# Altium PCB MASOUD.PcbDoc (part 4 of 5)
Units mm, origin at the board's own origin, x right, y up, seen from the top; angles counter-clockwise.
Board outline 244.28 x 142.63 mm, 2 copper layers (Top Layer, Bottom Layer); 506 components, 0 nets, 1687 pads, 863 vias.
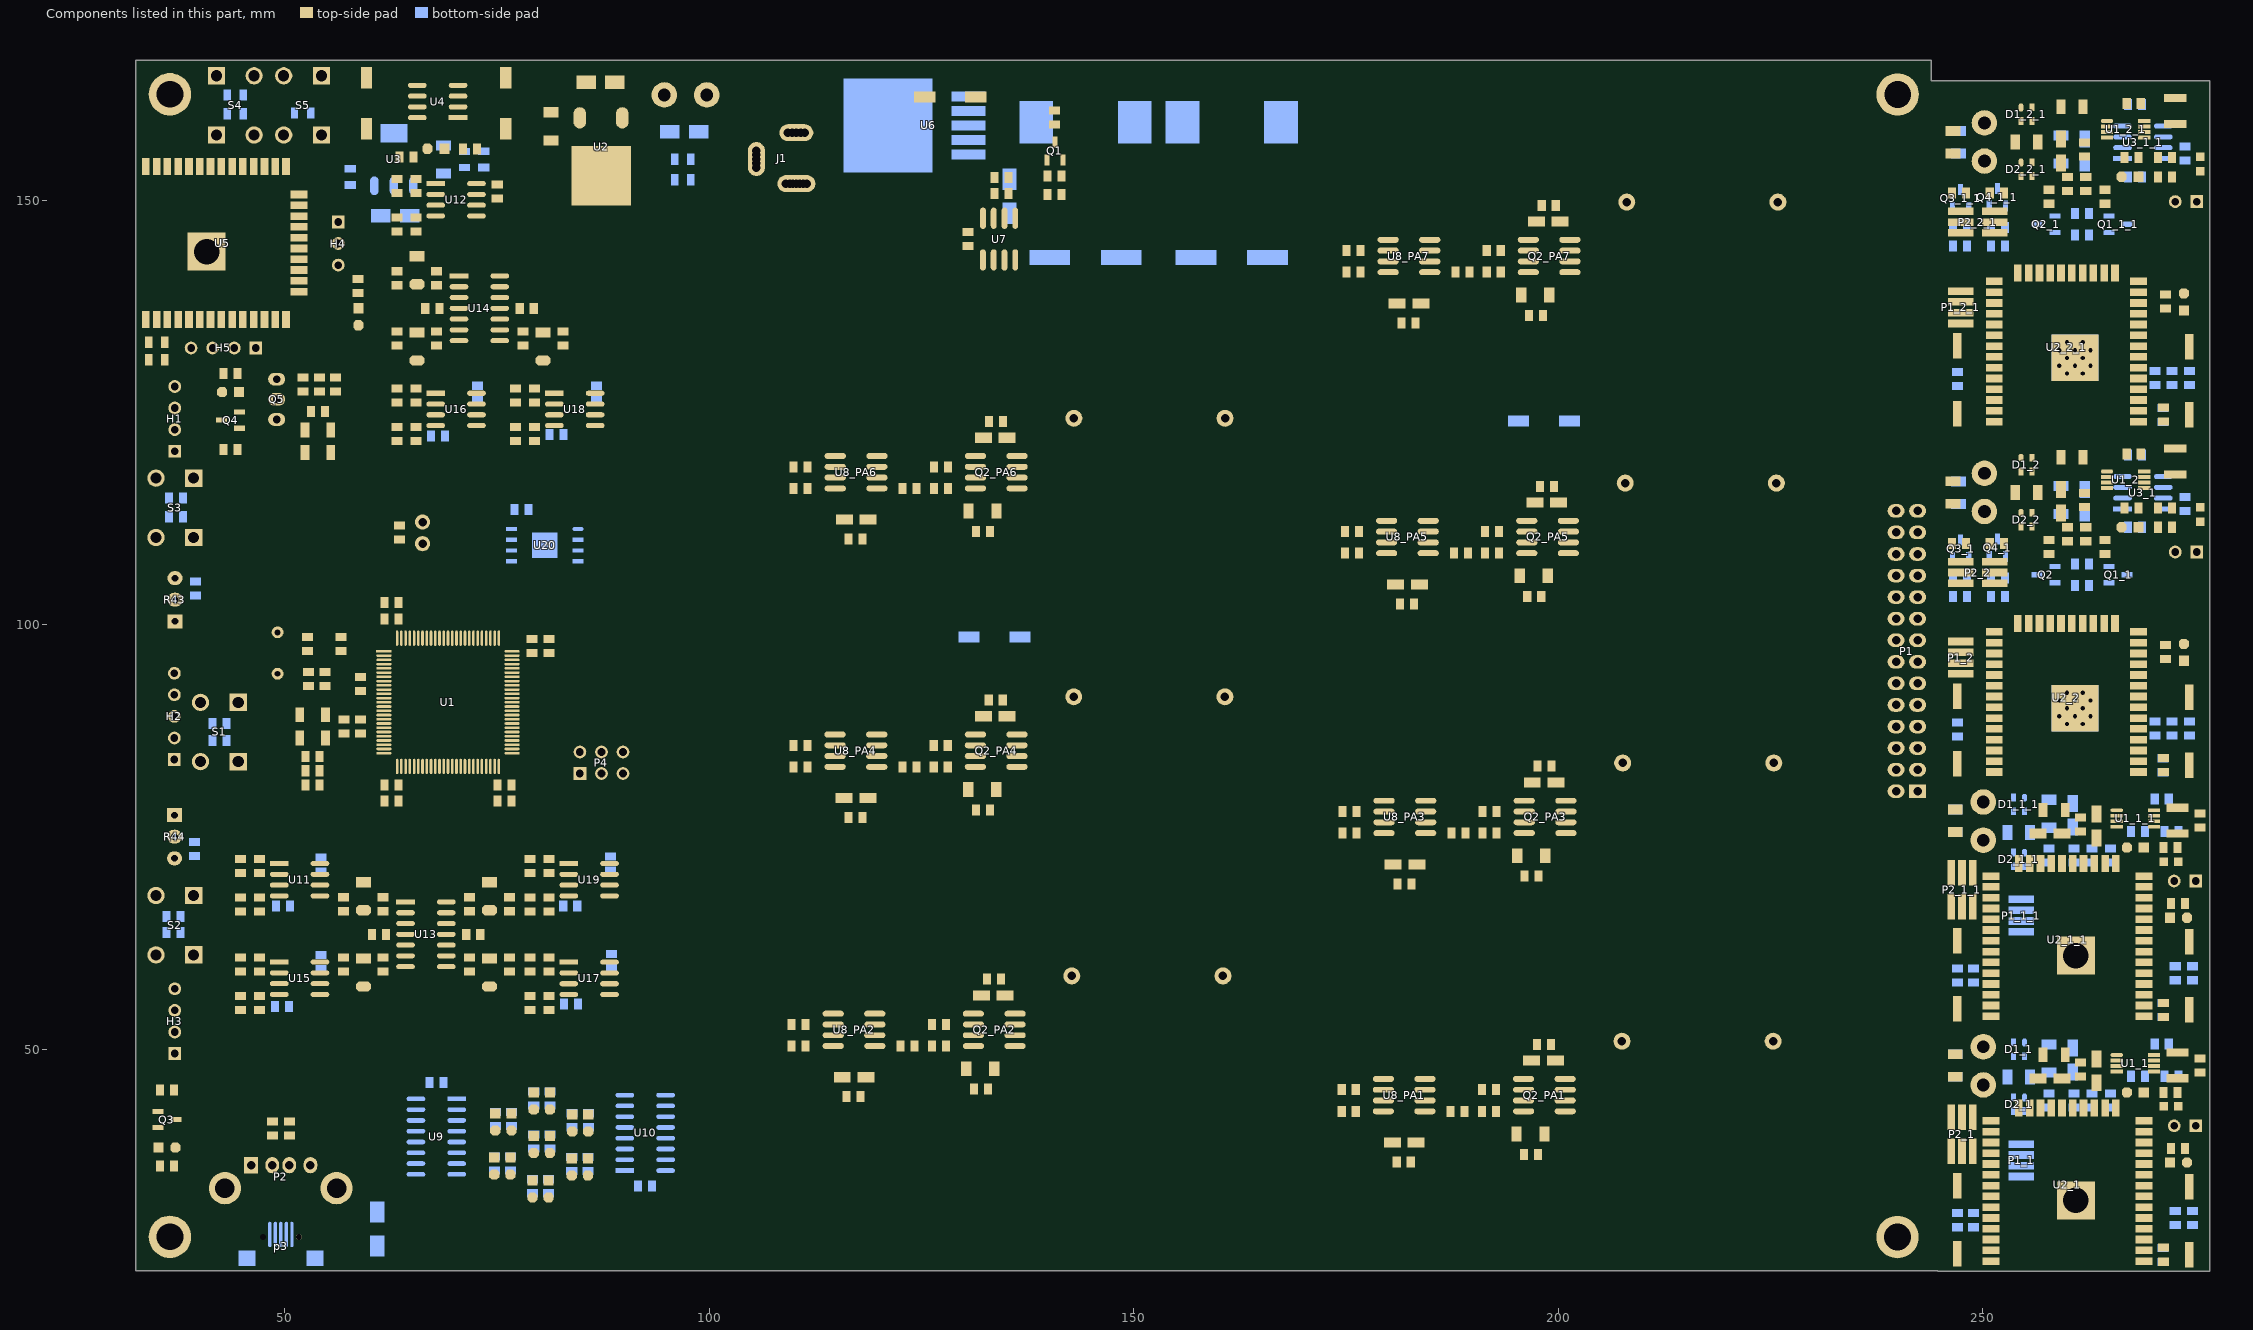
[diagram p4: the components of this part, seen from the top]

## Via types
v1: diameter 1.3, hole 0.7, Top Layer to Bottom Layer, tented both sides, 464 vias
v2: diameter 1, hole 0.5, Top Layer to Bottom Layer, tented both sides, 368 vias
v3: diameter 1.27, hole 0.7, Top Layer to Bottom Layer, tented both sides, 17 vias
v4: diameter 1.5, hole 0.8, Top Layer to Bottom Layer, tented both sides, 10 vias
v5: diameter 1, hole 0.5, Top Layer to Bottom Layer, 2 vias
v6: diameter 1.2, hole 0.7, Top Layer to Bottom Layer, tented both sides, 2 vias

## Nets (pads, with @x,y where several pads share a name; then routed paths per layer and width w, separated by ;. In a path a pad name is that pad's centre, name@x,y a point inside that pad or via, vN(x,y) a via of type N, cw(c..) or ccw(c..) an arc to the next point about the centre after c; other vN are vias at no path point) (continued)
copper on no net: (continued)
  Top Layer w0.9: 251.354,82.681 267.255,82.681 ; 251.354,123.952 267.255,123.952 ; 260.854,90.191 265.569,85.476 ; 260.854,131.462 265.569,126.747 ; 265.569,100.191 265.569,85.476 ; 265.569,141.462 265.569,126.747 ; 266.339,111.51 266.453,111.396 266.453,110.132 267.996,108.589 272.672,108.589 ; 266.339,152.781 266.453,152.667 266.453,151.403 267.996,149.86 272.672,149.86 ; 268.354,83.951 270.005,83.951 270.361,84.307 271.25,84.307 v2(271.275,84.332) 271.45,84.332 271.475,84.357 275.847,88.729 275.847,101.731 ; 268.354,125.222 270.005,125.222 270.361,125.578 271.25,125.578 v2(271.275,125.603) 271.45,125.603 271.475,125.628 275.847,130 275.847,143.002 ; v2(271.274,82.681) 268.354,82.681 267.255,82.681 ; v2(271.274,123.952) 268.354,123.952 267.255,123.952 ; 275.593,112.184 275.593,109.188 275.512,109.107 275.512,108.889 275.29,108.667 275.512,108.445 275.512,107.97 275.853,107.629 275.853,101.858 ; 275.593,153.455 275.593,150.459 275.512,150.378 275.512,150.16 275.29,149.938 275.512,149.716 275.512,149.241 275.853,148.9 275.853,143.129 ; 265.569,85.476 265.569,84.367 267.255,82.681 ; 265.569,126.747 265.569,125.638 267.255,123.952
  Top Layer w1: 88.924,163.899 88.924,161.22 89.785,160.359 89.785,159.724 92.035,159.724 94.735,162.424 97.16,164.849 102.36,164.849 107.485,159.724 107.485,153.524 108.939,152.07 109.254,152.07 109.254,151.974 ; v2(105.66,129.899) 105.745,129.984 172.807,129.984 173.281,130.458 173.284,130.464 173.382,130.624 174.396,132.284 174.494,132.445 175.076,133.397 176.188,135.217 176.228,135.281 176.665,134.844 176.665,133.548 ; v2(129.485,128.534) 169.05,128.534 171.132,126.452 182.113,126.452 183.61,127.949 ; 131.135,51.686 133.269,51.686 133.855,52.272 133.855,55.363 v1@134.377,55.886 ; 131.135,54.226 131.456,54.226 131.606,54.376 131.606,56.286 131.706,56.385 v1@132.077,56.385 ; 131.363,84.563 133.497,84.563 134.083,85.149 134.083,88.24 v1@134.605,88.763 ; 131.377,117.36 133.511,117.36 134.097,117.946 134.097,121.037 v1@134.619,121.56 ; 131.377,119.9 131.698,119.9 131.848,120.05 131.848,121.96 131.948,122.059 v1@132.319,122.059 ; 131.684,87.103 131.834,87.253 131.834,89.163 131.934,89.262 v1@132.305,89.262 ; 134.362,58.29 134.387,58.265 v1@134.387,56.449 ; 134.59,91.167 134.615,91.142 v1@134.615,89.172 ; 134.604,123.964 134.629,123.939 v1@134.629,121.969 ; 195.925,44.001 198.059,44.001 198.645,44.587 198.645,47.678 v1@199.167,48.201 ; 195.925,46.541 196.246,46.541 196.396,46.691 196.396,48.601 196.496,48.7 v1@196.867,48.7 ; 196.006,76.764 198.14,76.764 198.726,77.35 198.726,80.441 199.248,80.964 199.248,81.364 199.258,81.373 199.258,83.343 199.233,83.368 ; 196.307,109.728 198.441,109.728 199.027,110.314 199.027,113.405 199.549,113.928 199.549,114.328 199.559,114.337 199.559,116.307 199.534,116.332 ; 196.327,79.304 196.477,79.454 196.21,79.721 196.26,79.771 v1(196.26,81.399) 196.884,81.399 v1@196.948,81.463 ; 196.488,142.819 198.622,142.819 199.208,143.405 199.208,146.496 199.73,147.018 199.73,147.419 199.74,147.428 199.74,149.398 199.715,149.423 ; 196.628,112.268 196.778,112.418 196.778,114.328 196.878,114.427 v1@197.249,114.427 ; 196.809,145.359 196.959,145.509 196.959,147.419 197.059,147.518 v1@197.43,147.518 ; 199.152,50.605 199.177,50.58 199.177,48.61 v1(199.267,48.7) v1@199.667,48.7
  Top Layer w1.5: 109.035,151.974 109.254,151.974 109.485,151.974 109.885,151.974 ; v1@132.077,56.385 132.176,56.385 132.326,56.536 132.326,58.931 133.591,60.195 141.066,60.195 142.59,58.671 142.725,58.671 ; v1@132.305,89.262 132.404,89.262 132.554,89.413 132.554,91.808 133.819,93.072 141.294,93.072 142.818,91.548 142.953,91.548 ; v1@132.319,122.059 132.418,122.059 132.568,122.21 132.568,124.605 133.833,125.869 141.308,125.869 142.832,124.345 142.967,124.345 ; v1@196.866,48.446 196.867,48.447 196.867,48.7 196.966,48.7 197.116,48.851 197.116,51.246 198.381,52.51 205.856,52.51 207.38,50.986 207.515,50.986 ; v1@196.948,81.463 197.047,81.463 197.197,81.614 197.197,84.009 198.462,85.273 205.937,85.273 207.461,83.749 207.596,83.749 ; v1@197.249,114.427 197.348,114.427 197.498,114.578 197.498,116.973 198.763,118.237 206.238,118.237 207.762,116.713 207.897,116.713 ; v1@197.43,147.518 197.529,147.518 197.679,147.669 197.679,150.064 198.944,151.328 206.419,151.328 207.943,149.804 208.078,149.804
  Top Layer w2: 111.085,151.974 111.535,151.974 121.311,151.974 130.923,161.586 130.923,161.686 v3(131.412,162.174)
  Top Layer w2.5: 149.366,46.218 150.638,47.491 153.138,49.991 155.638,52.491 158.021,52.491 161.501,55.971 229.029,55.971 234.618,61.56 234.618,81.364 238.784,85.53 242.078,85.53 ; 149.594,79.095 151.977,79.095 161.729,88.848 230.952,88.848 237.764,95.66 239.792,95.66 242.332,95.66 ; 160.525,58.671 160.678,58.824 227.735,58.824 231.71,62.799 231.71,82.624 237.41,88.324 242.048,88.324 ; 160.753,91.548 160.954,91.749 229.685,91.749 236.426,98.49 242.285,98.49 ; 160.767,124.345 160.971,124.549 170.634,124.549 170.681,124.502 182.65,124.502 182.697,124.549 230.46,124.549 235.601,119.408 235.601,111.319 238.56,108.36 239.792,108.36 242.332,108.36 ; 161.052,120.963 161.734,121.645 229.196,121.645 232.56,118.281 232.56,109.924 236.935,105.549 239.792,105.549 242.36,105.549
  Bottom Layer w0.3: 34.687,61.156 35.019,61.488 35.019,62.533 36.085,63.599 36.085,63.774 ; 35.013,117.291 36.085,116.219 36.085,115.274 36.41,114.949 ; 37.06,75.064 37.489,75.064 38.104,74.449 39.41,74.449 ; 37.11,102.974 37.173,102.974 38.66,101.487 38.66,99.599 35.41,96.349 35.41,83.049 39.11,79.349 55.671,79.349 55.971,79.049 v2(56.16,79.049) ; 37.46,102.974 38.885,102.974 39.36,103.449 39.535,103.449 ; 37.46,105.514 37.55,105.424 39.21,105.424 39.535,105.099 ; 37.735,65.674 37.735,63.774 37.735,62.554 39.132,61.156 ; 38.06,112.749 38.06,114.949 38.06,115.894 39.458,117.291 ; 42.995,33.674 45.585,31.084 v1(45.585,25.424) 46.859,26.698 48.239,26.698 48.285,26.744 48.285,28.224 ; v2(43.986,93.62) 43.992,93.626 45.708,93.626 46.125,93.209 66.852,93.209 66.908,93.265 67.244,93.265 v2(67.378,93.399) ; 44.558,83.906 43.16,85.304 43.16,86.374 43.16,88.374 43.485,88.699 43.485,89.819 44.558,90.891 44.74,91.074 v2(50.335,91.074) ; v2(45.085,92.724) 45.1,92.709 66.576,92.709 67.161,92.124 v2(67.335,92.124) ; v2(47.035,67.949) 47.048,67.961 47.048,70.802 v2(47.06,70.814) ; v2(47.235,43.124) 47.235,34.185 48.935,32.485 48.935,28.224 ; 48.565,36.384 48.565,36.534 49.715,37.684 51.041,37.684 51.715,37.01 51.715,35.758 50.235,34.278 50.235,28.224 ; 49.585,28.224 49.585,35.254 50.565,36.234 50.565,36.384 ; v2(50.51,76.849) 55.26,76.849 57.586,79.175 v2(57.586,79.198) ; v2(50.551,106.883) 52.635,104.799 52.635,103.924 v2(52.71,103.849) ; 50.885,28.224 50.885,29.403 50.931,29.449 59.21,29.449 60.279,28.38 60.279,27.505 60.91,26.874 ; v2(51.529,109.768) 51.395,109.634 51.395,108.975 51.387,108.968 51.387,108.584 65.372,94.599 v2(67.41,94.599) ; v2(52.51,109.023) 52.598,108.934 52.598,108.368 65.19,95.776 v2(67.175,95.776) ; 53.065,36.384 53.17,36.384 55.88,33.674 56.135,33.674 53.585,31.124 ; v2(53.735,110.274) 55.535,108.474 v2(55.535,106.749) ; v2(57.26,86.049) 58.626,87.415 v2(63.159,87.415) ; v2(59.11,116.274) 59.11,109.549 v2(59.885,108.774) ; v2(60.254,116.637) 60.254,110.161 60.885,109.53 v2(60.885,109.449) ; 62.835,40.449 62.9,40.384 65.485,40.384 68.645,40.384 68.71,40.449 ; v2(63.51,49.784) 63.51,49.55 62.86,48.9 62.86,42.849 64.055,41.654 65.485,41.654 ; v2(64.849,71.901) 64.919,71.971 69.491,71.971 v2(69.56,72.041) ; v2(65.285,74.174) 77.16,74.174 v2(81.81,78.824) ; v2(65.36,75.424) 65.422,75.362 69.072,75.362 v2(69.135,75.299) ; v2(65.379,72.978) 77.166,72.978 83.035,78.847 v2(83.035,78.899) ; v2(65.46,120.049) 72.785,120.049 72.81,120.024 95.66,120.024 v2(103.21,127.574) ; 65.485,35.304 66.755,35.304 70.36,31.699 93.885,31.699 97.16,34.974 97.16,36.803 95.674,38.289 94.885,38.289 ; 65.485,36.574 65.51,36.549 67.41,36.549 v2(67.435,36.524) ; 65.485,37.844 65.533,37.892 66.984,37.892 67.16,38.068 67.16,39.274 66.695,39.739 63.879,39.739 63.235,39.095 63.235,34.776 64.337,33.674 66.81,33.674 69.785,30.699 94.299,30.699 98.16,34.56 98.16,39.988 96.106,42.042 94.942,42.042 94.885,42.099 94.837,42.147 93.712,42.147 93.135,42.724 93.135,44.799 91.785,46.149 v2(91.785,51.149) ; 65.485,39.114 63.961,39.114 63.785,38.938 63.785,34.949 64.56,34.174 67.06,34.174 70.035,31.199 94.092,31.199 97.66,34.767 97.66,39.324 96.155,40.829 94.885,40.829 93.53,40.829 92.635,41.724 92.635,44.592 90.585,46.642 v2(90.585,50.149) ; 65.485,42.924 64.215,42.924 63.36,43.779 63.36,45.299 65.435,47.374 74.56,47.374 78.21,43.724 79.064,43.724 79.36,43.428 ; 65.485,44.194 65.542,44.251 66.637,44.251 67.06,44.674 67.06,46.074 ; v2(68.285,85.149) 68.285,101.024 75.927,108.666 76.667,108.666 76.765,108.764 ; 68.71,46.099 68.71,40.449 ; v2(69.235,96.274) 72.279,96.274 83.06,107.055 83.06,110.549 83.779,111.268 84.519,111.268 84.555,111.304 ; 70.285,35.304 69.485,35.304 68.71,36.079 68.71,40.449 ; 70.285,36.574 71.555,36.574 73.23,34.899 76.434,34.899 76.61,35.075 76.61,35.778 ; 70.285,37.844 71.575,37.844 73.641,35.778 74.71,35.778 ; 70.285,39.114 70.295,39.124 76.86,39.124 78.481,37.503 81.009,37.503 81.185,37.679 81.185,38.253 ; 70.285,40.384 70.29,40.389 71.55,40.389 72.315,39.624 77.135,39.624 78.431,38.328 79.36,38.328 ; 70.285,41.654 71.555,41.654 73.056,40.153 76.484,40.153 76.66,40.329 76.66,40.903 76.735,40.978 ; 70.285,42.924 70.29,42.919 71.56,42.919 73.501,40.978 74.835,40.978 ; 70.285,44.194 76.94,44.194 78.61,42.524 80.651,42.524 80.827,42.7 80.827,43.103 81.152,43.428 81.26,43.428 ; v2(71.884,109.725) 71.925,109.725 72.234,110.034 76.765,110.034 ; v2(76.635,104.899) 76.635,107.394 76.735,107.494 76.765,107.494 ; 79.21,33.078 79.385,33.078 80.264,32.199 93.678,32.199 96.66,35.181 96.66,36.044 95.685,37.019 94.885,37.019 ; v2(79.46,120.874) 79.56,120.974 92.86,120.974 v2(92.96,121.074) ; 81.11,33.078 86.144,33.078 88.82,35.754 90.08,35.754 90.085,35.749 ; 83.835,35.678 83.835,35.05 84.032,34.853 86.649,34.853 88.815,37.019 90.085,37.019 ; 83.885,40.853 83.955,40.782 83.955,40.104 84.5,39.559 90.085,39.559 ; 84.555,108.764 84.61,108.819 86.355,108.819 v2(86.41,108.874) ; 84.555,110.034 84.572,110.016 87.868,110.016 v2(87.885,109.999) ; 85.735,35.678 86.06,36.003 86.529,36.003 88.815,38.289 90.085,38.289 ; 85.785,40.853 85.809,40.829 90.085,40.829 ; v2(86.467,118.392) 93.185,111.674 v2(103.035,111.674) ; 90.085,44.639 91.37,44.639 91.66,44.349 91.66,39.524 ; 91.66,33.924 91.66,39.524 ; v2(92.41,52.324) 92.544,52.19 92.87,52.19 92.936,52.124 99.635,52.124 v2(101.223,50.537) ; v2(92.585,95.749) 96.035,92.299 96.035,74.824 95.603,74.392 v2(92.728,74.392) ; v2@93.31,33.949 93.31,35.524 93.478,35.692 94.828,35.692 94.885,35.749 ; v2(93.31,65.754) 93.444,65.888 94.224,65.888 94.41,66.074 100.023,66.074 103.215,69.266 103.215,94.444 v2(103.135,94.524) ; v2(93.701,96.189) 93.701,96.083 96.535,93.249 96.535,74.074 95.728,73.267 v2(93.853,73.267) ; v2(94.585,97.001) 97.035,94.551 97.035,73.374 95.91,72.249 v2@95.136,72.249 ; 94.885,39.559 91.695,39.559 91.66,39.524 ; 94.885,43.369 94.907,43.347 97.237,43.347 v2(97.26,43.324) ; v2(95.185,62.874) 95.235,62.824 100.985,62.824 103.446,65.285 v2(103.446,68.029) ; v2(95.235,61.624) 95.31,61.549 v2(102.41,61.549) ; v2(95.985,70.874) 97.535,72.424 97.535,96.253 96.841,96.947 v2(96.841,97.114) ; v2(96.76,98.347) 96.892,98.215 97.232,98.215 98.035,97.412 98.035,70.599 v2(97.235,69.799) ; v2(96.76,99.549) 98.535,97.774 98.535,69.884 98.385,69.734 98.385,68.774 v2(98.26,68.649) ; v2(97.354,137.53) 97.485,137.399 97.485,134.674 v2(97.56,134.599) ; v2(245.776,34.011) 247.015,32.772 247.015,30.729 ; v2(245.776,62.84) 247.015,61.601 247.015,59.558 ; 246.449,107.92 246.449,108.27 246.599,108.42 247.359,108.42 248.163,109.224 248.923,109.224 249.6,108.547 250.617,108.547 250.742,108.422 ; 246.449,149.191 246.449,149.541 246.599,149.691 247.359,149.691 248.163,150.495 248.923,150.495 249.6,149.818 250.617,149.818 250.742,149.693 ; 252.605,105.541 252.667,105.603 ; 252.605,146.812 252.667,146.874 ; v2(254.257,109.605) 257.982,105.88 257.982,105.122 258.132,104.972 258.482,104.972 ; v2(254.257,150.876) 257.982,147.151 257.982,146.393 258.132,146.243 258.482,146.243 ; v2(257.119,49.384) 257.119,49.195 256.585,48.661 256.585,45.876 257.635,44.826 257.81,44.826 ; v2(257.119,78.213) 257.119,78.024 256.585,77.49 256.585,74.705 257.635,73.655 257.81,73.655 ; 257.81,43.176 257.985,43.176 258.81,42.351 264.049,42.351 264.874,43.176 265.049,43.176 265.126,43.099 v2(265.126,38.236) ; 257.81,72.005 257.985,72.005 258.81,71.18 264.049,71.18 264.874,72.005 265.049,72.005 265.126,71.928 v2(265.126,67.065) ; 260.732,43.176 262.89,43.176 263.873,43.176 264.049,43.352 264.049,43.796 264.254,44.001 265.844,44.001 266.11,43.735 266.11,39.32 v2(265.976,39.186) ; 260.732,72.005 262.89,72.005 263.873,72.005 264.049,72.181 264.049,72.625 264.254,72.83 265.844,72.83 266.11,72.564 266.11,68.149 v2(265.976,68.015) ; 267.085,120.019 267.085,119.844 268.257,118.672 v2(269.828,118.672) ; 267.085,161.29 267.085,161.115 268.257,159.943 v2(269.828,159.943) ; 271.907,50.669 271.907,50.494 272.724,49.677 272.724,47.185 v2(273.304,46.605) ; 271.907,79.498 271.907,79.323 272.724,78.506 272.724,76.014 v2(273.304,75.434) ; 272.669,30.983 274.701,30.983 274.701,32.826 274.32,33.207 v2(274.32,33.397) ; 272.669,59.812 274.701,59.812 274.701,61.655 274.32,62.036 v2(274.32,62.226)
  Bottom Layer w0.4: v2(53.66,140.524) 58.323,140.524 58.523,140.724 v2(58.685,140.724) ; 105.135,50.326 105.16,50.301 105.16,50.049 105.16,49.901 ; 105.535,83.306 105.535,83.349 ; 105.585,116.099 105.76,116.099 ; 170.726,108.649 170.81,108.565 170.81,108.374 ; 175.078,138.73 175.938,137.87 ; v2(245.745,29.079) 247.19,29.079 247.465,29.354 247.465,29.449 248.745,30.729 248.92,30.729 249.095,30.729 250.327,31.961 v2(253.301,31.961) ; v2(245.745,57.908) 247.19,57.908 247.465,58.183 247.465,58.278 248.745,59.558 248.92,59.558 249.095,59.558 250.327,60.79 v2(253.301,60.79) ; 246.449,107.92 246.48,107.89 246.48,105.572 246.51,105.541 ; 246.449,149.191 246.48,149.16 246.48,146.842 246.51,146.812 ; 246.51,103.382 246.51,102.219 246.745,101.985 250.721,101.985 250.955,102.219 v2(250.955,103.382) ; 246.51,144.653 246.51,143.49 246.745,143.256 250.721,143.256 250.955,143.49 v2(250.955,144.653) ; v2(247.018,83.308) 247.018,86.491 ; 247.018,86.873 247.018,86.491 ; 247.018,88.776 v2(247.018,91.952) 247.018,95.508 v2(251.59,100.08) 251.753,100.08 252.004,100.331 252.095,100.331 254.003,102.239 254.003,105.287 254.638,105.922 256.382,105.922 ; v2(247.018,124.579) 247.018,127.762 ; 247.018,128.144 247.018,127.762 ; 247.018,130.047 v2(247.018,133.223) 247.018,136.779 v2(251.59,141.351) 251.753,141.351 252.004,141.602 252.095,141.602 254.003,143.51 254.003,146.558 254.638,147.193 256.382,147.193 ; 248.16,103.382 248.16,105.541 248.349,105.73 248.349,107.92 ; 248.16,144.653 248.16,146.812 248.349,147.001 248.349,149.191 ; v2(248.669,91.571) 248.669,87.634 248.183,87.148 247.468,87.148 247.297,86.977 247.297,86.77 247.018,86.491 ; v2(248.669,132.842) 248.669,128.905 248.183,128.419 247.468,128.419 247.297,128.248 247.297,128.041 247.018,127.762 ; 250.193,117.86 256.416,117.86 257.905,119.349 263.451,119.349 264.036,118.763 264.036,117.098 264.925,116.209 266.462,116.209 ; 250.193,159.131 256.416,159.131 257.905,160.62 263.451,160.62 264.036,160.034 264.036,158.369 264.925,157.48 266.462,157.48 ; v2(250.447,109.605) 250.742,109.31 250.742,108.422 250.742,108.072 250.767,108.047 250.861,107.953 250.861,105.635 250.955,105.541 ; v2(250.447,150.876) 250.742,150.581 250.742,149.693 250.742,149.343 250.767,149.318 250.861,149.224 250.861,146.906 250.955,146.812 ; 252.605,103.382 252.605,105.541 ; 252.605,144.653 252.605,146.812 ; 252.667,105.603 252.667,108.047 ; 252.667,146.874 252.667,149.318 ; v4(256.543,115.574) 256.543,116.971 258.321,118.749 263.202,118.749 263.436,118.515 263.436,116.682 265.179,114.939 266.462,114.939 ; v4(256.543,156.845) 256.543,158.242 258.321,160.02 263.202,160.02 263.436,159.786 263.436,157.953 265.179,156.21 266.462,156.21 ; 258.482,106.872 260.587,106.872 260.862,107.147 260.862,107.192 ; 258.482,148.143 260.587,148.143 260.862,148.418 260.862,148.463 ; 258.702,104.972 260.586,104.972 260.861,104.697 v2(260.861,104.652) ; 258.702,146.243 260.586,146.243 260.861,145.968 v2(260.861,145.923) ; 259.21,116.383 258.81,115.983 258.476,115.983 257.813,115.32 v2(257.813,109.986) 257.845,109.986 258.607,109.224 266.624,109.224 268.735,111.335 268.735,111.51 268.735,111.685 270.424,113.374 270.424,113.577 270.517,113.669 271.262,113.669 ; 259.21,157.654 258.81,157.254 258.476,157.254 257.813,156.591 v2(257.813,151.257) 257.845,151.257 258.607,150.495 266.624,150.495 268.735,152.606 268.735,152.781 268.735,152.956 270.424,154.645 270.424,154.848 270.517,154.94 271.262,154.94 ; 260.731,44.827 260.906,44.827 263.398,47.319 v2(263.398,48.763) ; 260.731,73.656 260.906,73.656 263.398,76.148 v2(263.398,77.592) ; v4(262.004,112.399) 262.004,111.383 263.528,109.859 265.434,109.859 266.635,111.06 266.81,111.06 267.085,111.335 267.085,111.51 267.085,113.569 266.985,113.669 ; v4(262.004,117.204) 262.004,115.561 262.404,115.161 262.417,115.161 264.417,113.161 v2(264.417,110.875) ; v4(262.004,153.67) 262.004,152.654 263.528,151.13 265.434,151.13 266.635,152.331 266.81,152.331 267.085,152.606 267.085,152.781 267.085,154.84 266.985,154.94 ; v4(262.004,158.475) 262.004,156.832 262.404,156.432 262.417,156.432 264.417,154.432 v2(264.417,152.146) ; 262.511,104.652 262.511,104.697 262.786,104.972 264.891,104.972 ; 262.511,145.923 262.511,145.968 262.786,146.243 264.891,146.243 ; 262.787,106.872 264.891,106.872 ; 262.787,148.143 264.891,148.143 ; 262.89,44.826 265.049,44.826 265.079,44.856 266.171,44.856 v2(266.201,44.886) ; 262.89,73.655 265.049,73.655 265.079,73.685 266.171,73.685 v2(266.201,73.715) ; v2(264.29,103.951) 264.29,103.89 265.687,102.493 265.687,89.539 266.135,89.091 266.77,89.091 266.83,89.031 v2(266.837,89.031) ; v2(264.29,145.222) 264.29,145.161 265.687,143.764 265.687,130.81 266.135,130.362 266.77,130.362 266.83,130.302 v2(266.837,130.302) ; v2(265.941,103.951) 265.941,103.89 266.837,102.994 v2(266.837,90.301) ; v2(265.941,145.222) 265.941,145.161 266.837,144.265 v2(266.837,131.572) ; 266.462,113.669 266.985,113.669 ; 266.462,117.479 266.528,117.414 267.328,117.414 268.1,116.641 268.1,114.431 267.438,113.769 267.085,113.769 266.985,113.669 ; 266.462,154.94 266.985,154.94 ; 266.462,158.75 266.528,158.685 267.328,158.685 268.1,157.912 268.1,155.702 267.438,155.04 267.085,155.04 266.985,154.94 ; 266.991,105.922 267.341,105.922 267.441,105.822 267.441,99.33 274.067,92.705 274.067,92.625 274.244,92.448 v2@274.323,92.448 ; 266.991,147.193 267.341,147.193 267.441,147.093 267.441,140.601 274.067,133.976 274.067,133.896 274.244,133.719 v2@274.323,133.719 ; v2(268.862,100.715) 268.862,107.7 272.462,111.299 274.759,111.299 274.993,111.534 274.993,114.832 274.759,115.066 273.815,115.066 273.727,114.977 271.301,114.977 271.262,114.939 ; v2(268.862,141.986) 268.862,148.971 272.462,152.57 274.759,152.57 274.993,152.805 274.993,156.103 274.759,156.337 273.815,156.337 273.727,156.248 271.301,156.248 271.262,156.21 ; 269.112,46.859 269.366,46.605 271.145,46.605 271.399,46.859 ; 269.112,75.688 269.366,75.434 271.145,75.434 271.399,75.688 ; v2(269.828,118.672) 273.13,118.672 275.593,116.209 275.593,111.256 274.45,110.113 272.418,110.113 271.402,109.097 v2(271.402,99.191) ; v2(269.828,159.943) 273.13,159.943 275.593,157.48 275.593,152.527 274.45,151.384 272.418,151.384 271.402,150.368 v2(271.402,140.462) ; 270.259,86.999 270.259,85.348 v2(271.275,84.332) ; 270.259,128.27 270.259,126.619 v2(271.275,125.603) ; 270.894,88.65 274.323,88.65 274.598,88.65 ; 270.894,129.921 274.323,129.921 274.598,129.921 ; 272.292,87 274.323,87 ; 272.292,128.271 274.323,128.271 ; v5(273.688,97.794) 275.859,97.794 275.986,97.667 ; v5(273.688,139.065) 275.859,139.065 275.986,138.938 ; 274.323,87 274.323,86.11 274.513,85.92 ; v2(274.323,92.206) 274.323,88.925 274.598,88.65 ; 274.323,128.271 274.323,127.381 274.513,127.191 ; v2(274.323,133.477) 274.323,130.196 274.598,129.921 ; 274.704,88.65 274.598,88.65 ; 274.704,129.921 274.598,129.921
  Bottom Layer w0.5: v1(34.61,149.999) 34.61,153.524 43.26,162.174 v1(43.26,162.399) ; v2(35.885,98.799) 34.81,97.724 34.81,82.8 43.069,74.542 v2(43.069,71.14) ; v2(36.285,151.374) 40.111,151.374 46.433,157.695 46.433,158.048 45.36,159.12 45.36,160.026 45.16,160.226 45.16,162.399 45.16,162.624 46.139,163.603 46.139,164.387 46.433,164.68 ; 36.821,99.795 36.821,99.858 37.396,100.434 37.523,100.434 ; 37.035,94.319 38.647,92.707 38.647,90.284 40.285,88.646 41.285,88.646 41.51,88.421 41.51,88.374 ; 37.06,77.604 36.996,77.604 35.721,76.328 35.721,71.866 36.328,71.259 36.328,67.533 36.085,67.29 36.085,65.674 36.085,65.499 35.86,65.274 35.824,65.274 33.396,62.847 33.396,53.222 37.085,49.534 ; 37.085,120.469 36.996,120.38 35.878,120.38 33.396,117.899 33.396,114.187 34.835,112.749 36.41,112.749 36.41,107.389 35.771,106.75 35.771,101.709 37.046,100.434 37.11,100.434 ; v1(39.21,58.524) 51.51,58.524 54.085,61.099 v2(54.235,61.099) 54.235,65.917 55.385,67.067 55.385,71.699 54.36,72.724 v2(54.235,72.724) ; v2(39.21,64.374) 39.345,64.374 39.616,64.103 40.106,64.103 41.41,62.799 v2(46.535,62.799) ; v2(39.26,70.124) 40.435,70.124 43.66,66.899 48.86,66.899 v2(48.935,66.824) 48.985,66.874 v2@48.985,66.899 ; v2(42.81,114.299) 42.735,114.374 42.735,120.474 48.835,126.574 49.085,126.574 ; v2(43.685,115.124) 44.66,115.124 v2(47.16,117.624) ; v2(44.71,113.924) 44.804,113.924 48.235,117.355 v2(48.235,118.724) ; v2@48.91,55.074 48.935,55.099 v2(48.935,55.199) ; 51.185,160.276 51.185,158.968 49.912,157.695 51.635,155.973 v2(51.635,154.024) ; v2(52.16,134.024) 52.295,134.024 52.47,133.849 v2(61.735,133.849) ; 53.085,160.276 57.883,160.276 58.46,159.699 ; v2(54.31,135.199) 66.14,135.199 v2(68.235,137.294) ; v2@54.794,138.244 68.715,138.244 69.665,137.294 v2(77.71,137.294) ; v2(56.035,127.474) 56.135,127.474 60.035,131.374 v2(60.135,131.374) ; v2(62.912,70.245) 63.047,70.245 63.268,70.024 70.717,70.024 70.886,70.193 v2(71.021,70.193) ; v2(62.949,71.549) 63.547,70.951 70.087,70.951 v2(70.11,70.974) ; v1(63.435,79.099) 65.56,81.224 v1(79.335,81.224) 79.285,81.274 79.285,99.949 v1(79.235,99.999) ; 66.458,112.119 66.585,112.119 ; v2@67.21,122.474 v2(67.21,122.324) ; v2@67.235,122.349 v2(67.21,122.324) ; v2(71.36,51.874) 71.41,51.924 v2(71.41,63.574) ; v2(72.735,128.174) 86.685,128.174 v2(86.76,128.249) ; v2(77.01,55.224) 77.073,55.287 82.71,55.287 82.885,55.462 v2(82.885,55.599) ; v2@81.21,122.424 81.235,122.399 v2(81.235,122.374) 79.185,122.374 77.735,120.924 68.41,120.924 67.21,122.124 v2(67.21,122.324) ; v2(82.785,66.974) v2@82.835,66.924 ; v2(88.26,72.849) 88.285,72.849 v2@88.41,72.724 ; v2(88.46,61.199) 88.51,61.249 v2@88.51,61.274 ; 91.66,156.649 94.885,153.424 94.885,151.249 101.585,144.549 v1(104.21,144.549) 104.21,136.664 v2(103.21,135.664) 104.295,134.579 104.295,118.644 v2(104.25,118.599) ; v2(103.985,35.699) 103.905,35.779 103.905,54.122 v2(103.825,54.202) 104.21,54.202 104.21,64.743 104.585,65.118 104.585,85.281 104.175,85.691 v2@104.175,85.899 ; v2(104.2,85.899) 104.188,85.911 104.188,99.486 104.21,99.509 v2@104.21,118.599 ; 247.145,116.899 246.845,116.899 245.494,115.548 245.494,113.415 247.399,111.51 247.399,110.02 ; 247.145,158.17 246.845,158.17 245.494,156.819 245.494,154.686 247.399,152.781 247.399,151.291 ; 250.193,113.367 250.193,113.233 251.717,111.709 251.717,110.147 ; 250.193,154.638 250.193,154.504 251.717,152.98 251.717,151.418 ; v2(255.019,104.779) 255.019,104.652 256.543,103.128 v2(256.543,103.001) ; v2(255.019,146.05) 255.019,145.923 256.543,144.399 v2(256.543,144.272) ; v2(273.815,112.272) 273.815,113.416 ; v2(273.815,153.543) 273.815,154.687
  Bottom Layer w0.6: v1(40.935,122.624) 40.935,122.435 41.435,121.935 v1(41.435,116.799) ; v1@60.91,30.874 60.91,30.474 v1(60.935,30.449) ; v2(64.345,44.224) 64.36,44.209 65.47,44.209 65.485,44.194 ; 73.485,155.774 71.21,155.774 69.661,155.774 69.31,156.125 69.31,156.174 69.01,156.474 68.735,156.474 68.46,156.474 67.01,157.924 62.886,157.924 62.886,151.724 62.886,149.698 64.41,148.174 64.76,148.174 64.824,148.11 66.81,148.11 66.869,148.169 70.965,148.169 v1(74.36,144.774) ; 76.765,111.304 76.765,113.129 77.085,113.449 77.085,113.624 77.26,113.799 77.26,114.785 77.935,115.46 v1(77.935,115.649) ; v2(267.026,41.461) 267.134,41.461 267.94,42.267 273.832,42.267 275.082,41.017 ; v2(267.026,70.29) 267.134,70.29 267.94,71.096 273.832,71.096 275.082,69.846 ; v2(271.247,26.641) 271.422,26.641 272.669,27.888 272.669,29.333 ; v2(271.247,55.47) 271.422,55.47 272.669,56.717 272.669,58.162
  Bottom Layer w0.8: 57.76,151.824 60.493,151.824 60.586,151.732 60.586,151.724 60.586,148.598 61.01,148.174 61.71,148.174 63.11,146.774 67.155,146.774 67.4,147.019 v1(67.535,147.019) ; v2(86.76,128.249) 88.239,129.728 v1(88.239,134.474) ; 180.335,139.174 180.958,139.174 180.958,146.226 180.385,146.799 ; 246.761,46.804 247.061,46.804 247.61,46.255 249.642,46.255 250.063,45.834 250.484,46.255 252.734,46.255 252.929,46.45 ; 246.761,49.454 247.061,49.454 247.513,49.906 249.642,49.906 250.063,50.327 ; 246.761,75.633 247.061,75.633 247.61,75.084 249.642,75.084 250.063,74.663 250.484,75.084 252.734,75.084 252.929,75.279 ; 246.761,78.283 247.061,78.283 247.513,78.735 249.642,78.735 250.063,79.156 ; 247.145,114.249 248.716,114.249 249.598,113.367 250.193,113.367 252.4,115.574 v4(256.543,115.574) ; 247.145,116.899 248.637,116.899 249.598,117.86 250.193,117.86 ; 247.145,155.52 248.716,155.52 249.598,154.638 250.193,154.638 252.4,156.845 v4(256.543,156.845) ; 247.145,158.17 248.637,158.17 249.598,159.131 250.193,159.131 ; 253.604,44.387 253.604,45.806 253.135,46.275 253.104,46.275 252.929,46.45 ; 253.604,49.234 253.604,47.694 253.135,47.225 253.104,47.225 252.929,47.05 252.929,46.75 252.929,46.45 ; 253.604,50.864 255.357,50.864 255.632,50.589 257.535,50.589 ; 253.604,73.216 253.604,74.635 253.135,75.104 253.104,75.104 252.929,75.279 ; 253.604,78.063 253.604,76.523 253.135,76.054 253.104,76.054 252.929,75.879 252.929,75.579 252.929,75.279 ; 253.604,79.693 255.357,79.693 255.632,79.418 257.535,79.418 ; 254.904,44.357 254.904,45.806 255.373,46.275 255.404,46.275 255.579,46.45 255.579,46.75 255.579,47.05 255.404,47.225 255.373,47.225 254.904,47.694 v2@254.904,49.234 ; 254.904,73.186 254.904,74.635 255.373,75.104 255.404,75.104 255.579,75.279 255.579,75.579 255.579,75.879 255.404,76.054 255.373,76.054 254.904,76.523 v2@254.904,78.063 ; v2(257.119,49.384) 257.157,49.423 257.157,49.936 257.335,50.114 257.335,50.389 257.535,50.589 ; v2(257.119,78.213) 257.157,78.252 257.157,78.765 257.335,78.943 257.335,79.218 257.535,79.418 ; 257.81,50.589 257.535,50.589 ; 257.81,79.418 257.535,79.418 ; v4(259.21,112.399) v4@259.21,113.083 ; 259.21,116.383 v4(259.21,117.225) ; v4(259.21,153.67) v4@259.21,154.354 ; 259.21,157.654 v4(259.21,158.496) ; 260.604,50.166 260.604,49.766 260.803,49.567 261.203,49.567 261.97,48.801 263.36,48.801 v2(263.398,48.763) ; 260.604,78.995 260.604,78.595 260.803,78.396 261.203,78.396 261.97,77.63 263.36,77.63 v2(263.398,77.592) ; v4(262.004,112.399) 262.004,113.161 ; v4(262.004,153.67) 262.004,154.432
  Bottom Layer w0.9: v2(271.274,82.681) 271.91,82.681 274.513,85.284 275.847,86.618 275.847,97.794 ; v2(271.274,123.952) 271.91,123.952 274.513,126.555 275.847,127.889 275.847,139.065 ; 272.672,108.589 272.749,108.512 272.749,107.496 275.855,104.39 275.855,97.798 ; 272.672,149.86 272.749,149.783 272.749,148.767 275.855,145.661 275.855,139.069
  Bottom Layer w1: 94.735,162.424 94.735,158.399 95.035,158.099 95.385,158.099 95.385,155.549 95.96,154.974 95.96,154.849 95.96,152.449 ; 99.673,162.361 99.735,162.424 ; 105.16,50.049 107.05,48.159 107.05,48.011 107.212,47.849 107.36,47.849 ; 105.16,50.301 105.16,64.349 108.16,67.349 108.16,76.749 108.16,79.614 105.535,82.239 105.535,83.306 ; 105.535,83.349 105.535,91.996 105.51,92.021 105.51,100.711 107.91,103.111 107.91,103.124 ; 105.535,156.624 105.535,155.374 105.535,154.424 105.585,154.374 105.585,153.874 105.585,116.099 105.585,115.524 107.235,113.874 ; 110.685,151.974 110.685,131.424 113.575,128.534 v2@129.289,128.534 ; 122.664,107.933 122.664,104.599 123.205,104.058 123.205,101.079 129.885,94.399 129.885,83.667 126.86,80.642 126.86,80.549 ; 126.46,47.499 126.46,47.593 129.735,50.868 129.735,66.94 126.46,70.215 126.46,70.599 ; 127.085,113.824 129.76,116.499 129.76,128.063 v2@129.289,128.534 ; v2@129.174,128.649 v2@129.289,128.534 ; v2(129.485,128.534) v2@129.289,128.534 ; 135.162,55.869 135.66,56.368 v1(135.66,56.449) ; 172.21,40.199 171.967,40.199 171.84,40.326 171.84,40.569 170.335,42.074 170.335,53.813 170.36,53.838 170.36,60.336 172.66,62.636 172.66,69.074 172.66,71.815 170.385,74.09 170.385,93.074 172.835,95.524 172.835,105.449 170.66,107.624 170.66,126.209 172.91,128.459 172.91,128.724 ; 187.579,100.305 187.579,96.924 189.412,95.091 189.412,93.447 194.61,88.249 194.61,75.95 191.585,72.925 191.585,72.574 ; 187.769,133.363 187.769,129.974 189.071,128.672 189.071,126.538 194.86,120.749 194.86,108.863 191.785,105.788 191.785,105.724 ; 191.31,39.499 191.31,39.968 194.66,43.318 194.66,58.859 191.485,62.034 191.485,62.174 ; v1@200.162,48.314 200.467,48.619 v1(200.467,48.7)
  Bottom Layer w1.2: 125.136,154.5 121.087,158.549 121.087,158.824 130.535,158.824 ; 129.697,144.186 129.697,145.799 131.459,145.799 131.644,147.253 130.798,148.195 ; 130.535,160.524 137.21,160.524 138.535,159.199 138.71,159.024 138.71,156.224 135.385,152.899 135.385,152.499
  Bottom Layer w1.5: 99.735,162.424 105.535,156.624
  Bottom Layer w2: 105.585,155.374 108.185,157.974 109.285,157.974 ; 109.485,151.974 109.885,151.974 110.285,151.974 110.685,151.974 ; 110.785,157.974 120.237,157.974 121.087,158.824
  Bottom Layer w2.5: v1@132.077,56.385 132.077,126.816 147.385,142.124 147.385,142.924 147.735,143.274 v3@148.535,143.274 ; v1@134.96,56.549 134.96,89.199 134.96,122.102 145.629,132.771 145.632,132.771 156.135,143.274 157.36,143.274 157.36,148.699 167.36,158.699 167.36,159.199 194.769,159.199 199.787,154.181 199.787,147.549 199.787,114.449 199.787,91.999 199.787,81.466 v1@199.787,48.7 ; 140.135,143.749 140.135,148.699 150.135,158.699 150.135,159.199 155.76,159.199 ; v3@165.76,143.674 165.76,150.424 171.835,156.499 193.65,156.499 196.866,153.283 196.866,143.099 196.866,124.049 196.866,81.399 v1@196.866,48.827 ; 214.324,38.533 217.644,38.533 236.871,57.76 236.871,77.36 239.792,80.281 239.792,80.42 242.06,80.42 ; 214.538,104.26 221.95,104.26 222.67,105.813 222.819,106.136 223.112,106.767 223.623,107.871 224.065,108.825 225.019,110.883 ; 214.719,137.351 219.221,132.85 222.971,129.1 ; 223.47,129.599 223.536,129.599 ; 223.663,129.599 223.536,129.599 ; 224.679,79.434 225.291,80.046 226.053,80.046 236.49,90.483 239.695,90.483 ; 225.315,50.986 233.785,59.456 233.785,78.38 238.649,83.244 242.06,83.244 ; 225.396,83.749 235.051,93.404 242.048,93.404 ; 225.697,116.713 227.405,116.713 233.46,110.658 233.46,106.975 236.871,103.564 242.048,103.564 ; 225.878,149.804 227.406,149.804 228.87,148.34 228.87,124.362 239.792,113.44 241.935,113.44 ; 226.52,112.898 230,109.418 230,106.184 235.444,100.74 241.885,100.74 ; 239.873,90.499 241.935,90.499 ; 242.078,110.74 238.674,110.74 238.514,110.9 238.171,110.9 225.822,123.249 225.822,127.313 223.536,129.599
  other v1: 53.585,25.424 173.585,31.199 176.085,31.199 178.585,31.199 185.06,31.324 187.56,31.324 190.06,31.324 205.935,31.749 209.935,31.749 213.935,31.749 217.935,31.749 221.935,31.749 173.585,33.699 176.085,33.699 178.585,33.699 185.06,33.824 187.56,33.824 190.06,33.824 205.935,35.749 209.935,35.749 213.935,35.749 217.935,35.749 221.935,35.749 173.585,36.199 176.085,36.199 178.585,36.199 185.06,36.324 187.56,36.324 190.06,36.324 120.035,38.674 122.535,38.674 125.035,38.674 173.585,38.699 176.085,38.699 178.585,38.699 108.635,38.799 111.135,38.799 113.635,38.799 185.06,38.824 187.56,38.824 190.06,38.824 141.41,39.424 145.41,39.424 149.41,39.424 153.41,39.424 157.41,39.424 205.935,39.749 209.935,39.749 213.935,39.749 217.935,39.749 221.935,39.749 120.035,41.174 122.535,41.174 125.035,41.174 108.635,41.299 111.135,41.299 113.635,41.299 141.41,43.424 145.41,43.424 149.41,43.424 153.41,43.424 157.41,43.424 120.035,43.674 122.535,43.674 125.035,43.674 205.935,43.749 209.935,43.749 213.935,43.749 217.935,43.749 221.935,43.749 108.635,43.799 111.135,43.799 113.635,43.799 120.035,46.174 122.535,46.174 125.035,46.174 108.635,46.299 111.135,46.299 113.635,46.299 141.41,47.424 145.41,47.424 149.41,47.424 153.41,47.424 157.41,47.424 196.06,48.649 197.26,48.649 172.875,49.052 175.375,49.052 177.875,49.052 180.375,49.052 182.875,49.052 185.375,49.052 187.875,49.052 190.375,49.052 141.41,51.424 145.41,51.424 149.41,51.424 153.41,51.424 157.41,51.424 172.875,51.552 175.375,51.552 177.875,51.552 180.375,51.552 182.875,51.552 185.375,51.552 187.875,51.552 190.375,51.552 131.253,56.398 132.453,56.398 134.46,56.449 108.085,56.737 110.585,56.737 113.085,56.737 115.585,56.737 118.085,56.737 120.585,56.737 123.085,56.737 125.585,56.737 108.085,59.237 110.585,59.237 113.085,59.237 115.585,59.237 118.085,59.237 120.585,59.237 123.085,59.237 125.585,59.237 173.535,64.074 176.035,64.074 178.535,64.074 185.456,64.315 187.956,64.315 190.456,64.315 206.36,64.774 210.36,64.774 214.36,64.774 218.36,64.774 222.36,64.774 173.535,66.574 176.035,66.574 178.535,66.574 185.456,66.815 187.956,66.815 190.456,66.815 206.36,68.774 210.36,68.774 214.36,68.774 218.36,68.774 222.36,68.774 173.535,69.074 176.035,69.074 178.535,69.074 185.456,69.315 187.956,69.315 190.456,69.315 173.535,71.574 176.035,71.574 178.535,71.574 108.785,71.749 111.285,71.749 113.785,71.749 120.46,71.799 122.96,71.799 125.46,71.799 185.456,71.815 187.956,71.815 190.456,71.815 141.41,72.724 145.41,72.724 149.41,72.724 153.41,72.724 157.41,72.724 206.36,72.774 210.36,72.774 214.36,72.774 218.36,72.774 222.36,72.774 108.785,74.249 111.285,74.249 113.785,74.249 120.46,74.299 122.96,74.299 125.46,74.299 141.41,76.724 145.41,76.724 149.41,76.724 153.41,76.724 157.41,76.724 108.785,76.749 111.285,76.749 113.785,76.749 206.36,76.774 210.36,76.774 214.36,76.774 218.36,76.774 222.36,76.774 120.46,76.799 122.96,76.799 125.46,76.799 108.785,79.249 111.285,79.249 113.785,79.249 120.46,79.299 122.96,79.299 125.46,79.299 141.41,80.724 145.41,80.724 149.41,80.724 153.41,80.724 157.41,80.724 197.46,81.399 199.21,81.449 200.385,81.474 172.956,81.815 175.456,81.815 177.956,81.815 180.456,81.815 182.956,81.815 185.456,81.815 187.956,81.815 190.456,81.815 172.956,84.315 175.456,84.315 177.956,84.315 180.456,84.315 182.956,84.315 185.456,84.315 187.956,84.315 190.456,84.315 141.41,84.724 145.41,84.724 149.41,84.724 153.41,84.724 157.41,84.724 131.453,89.198 132.653,89.198 134.36,89.199 108.313,89.614 110.813,89.614 113.313,89.614 115.813,89.614 118.313,89.614 120.813,89.614 123.313,89.614 125.813,89.614 108.313,92.114 110.813,92.114 113.313,92.114 115.813,92.114 118.313,92.114 120.813,92.114 123.313,92.114 125.813,92.114 185.21,96.924 187.71,96.924 190.21,96.924 173.86,97.049 176.36,97.049 178.86,97.049 206.36,98.349 210.36,98.349 214.36,98.349 218.36,98.349 222.36,98.349 185.21,99.424 187.71,99.424 190.21,99.424 173.86,99.549 176.36,99.549 178.86,99.549 185.21,101.924 187.71,101.924 190.21,101.924 173.86,102.049 176.36,102.049 178.86,102.049 206.36,102.349 210.36,102.349 214.36,102.349 218.36,102.349 222.36,102.349 185.21,104.424 187.71,104.424 190.21,104.424 109.06,104.549 111.56,104.549 114.06,104.549 173.86,104.549 176.36,104.549 178.86,104.549 120.46,104.599 122.96,104.599 125.46,104.599 141.46,106.149 145.46,106.149 149.46,106.149 153.46,106.149 157.46,106.149 206.36,106.349 210.36,106.349 214.36,106.349 218.36,106.349 222.36,106.349 109.06,107.049 111.56,107.049 114.06,107.049 120.46,107.099 122.96,107.099 125.46,107.099 109.06,109.549 111.56,109.549 114.06,109.549 120.46,109.599 122.96,109.599 125.46,109.599 141.46,110.149 145.46,110.149 149.46,110.149 153.46,110.149 157.46,110.149 206.36,110.349 210.36,110.349 214.36,110.349 218.36,110.349 222.36,110.349 109.06,112.049 111.56,112.049 114.06,112.049 120.46,112.099 122.96,112.099 125.46,112.099 141.46,114.149 145.46,114.149 149.46,114.149 153.46,114.149 157.46,114.149 196.36,114.449 197.46,114.449 199.36,114.449 200.56,114.449 173.257,114.779 175.757,114.779 178.257,114.779 180.757,114.779 183.257,114.779 185.757,114.779 188.257,114.779 190.757,114.779 173.257,117.279 175.757,117.279 178.257,117.279 180.757,117.279 183.257,117.279 185.757,117.279 188.257,117.279 190.757,117.279 141.46,118.149 145.46,118.149 149.46,118.149 153.46,118.149 157.46,118.149 131.553,121.998 132.753,121.998 134.46,122.049 108.327,122.411 110.827,122.411 113.327,122.411 115.827,122.411 118.327,122.411 120.827,122.411 123.327,122.411 125.827,122.411 108.327,124.911 110.827,124.911 113.327,124.911 115.827,124.911 118.327,124.911 120.827,124.911 123.327,124.911 125.827,124.911 185.485,129.974 187.985,129.974 190.485,129.974 174.16,130.149 176.66,130.149 179.16,130.149 206.785,132.049 210.785,132.049 214.785,132.049 218.785,132.049 222.785,132.049 185.485,132.474 187.985,132.474 190.485,132.474 174.16,132.649 176.66,132.649 179.16,132.649 185.485,134.974 187.985,134.974 190.485,134.974 174.16,135.149 176.66,135.149 179.16,135.149 206.785,136.049 210.785,136.049 214.785,136.049 218.785,136.049 222.785,136.049 185.485,137.474 187.985,137.474 190.485,137.474 174.16,137.649 176.66,137.649 179.16,137.649 206.785,140.049 210.785,140.049 214.785,140.049 218.785,140.049 222.785,140.049 206.785,144.049 210.785,144.049 214.785,144.049 218.785,144.049 222.785,144.049 196.31,147.549 197.435,147.549 199.56,147.549 200.76,147.549 173.438,147.87 175.938,147.87 178.438,147.87 180.938,147.87 183.438,147.87 185.938,147.87 188.438,147.87 190.938,147.87 173.438,150.37 175.938,150.37 178.438,150.37 180.938,150.37 183.438,150.37 185.938,150.37 188.438,150.37 190.938,150.37
  other v2: 253.126,24.986 267.101,25.011 274.32,25.841 247.015,25.968 44.46,28.149 64.46,28.149 69.46,28.149 74.46,28.149 79.46,28.149 84.46,28.149 89.46,28.149 94.46,28.149 39.46,33.149 59.46,33.149 81.11,34.878 79.21,34.903 274.05,36.699 83.835,37.478 85.735,37.503 74.71,37.603 76.61,37.603 39.46,38.149 44.46,38.149 54.46,38.149 59.46,38.149 79.36,40.153 81.26,40.153 83.885,42.678 85.785,42.678 74.835,42.778 76.735,42.778 39.46,43.149 44.46,43.149 54.46,43.149 59.46,43.149 79.36,45.253 81.26,45.253 258.801,46.436 260.676,46.436 44.46,48.149 49.46,48.149 264.976,50.761 253.126,53.815 267.101,53.84 274.32,54.67 247.015,54.797 64.46,58.149 69.46,58.149 59.31,60.734 74.16,60.724 93.285,60.824 44.81,60.859 56.96,60.849 79.46,63.149 84.46,63.149 73.06,63.574 60.035,63.699 274.05,65.528 56.96,67.939 59.46,68.149 74.46,68.149 59.31,69.714 74.16,69.714 44.81,72.464 39.335,72.699 99.785,73.899 258.801,75.265 260.676,75.265 44.46,78.149 94.46,78.149 264.976,79.59 54.11,81.149 99.86,81.924 54.11,82.836 49.46,83.149 94.46,83.149 64.46,88.149 69.46,88.149 74.46,88.149 52.835,91.859 74.46,93.149 58.585,94.324 39.46,98.149 44.46,98.149 84.46,98.149 89.46,98.149 52.71,98.574 56.685,98.574 44.46,103.149 94.46,103.149 39.46,108.149 44.46,108.149 49.46,108.149 64.46,108.149 89.46,108.149 94.46,108.149 54.46,113.149 64.46,113.149 69.46,113.149 89.46,113.149 94.46,113.149 94.46,118.149 34.46,123.149 39.46,123.149 94.46,123.149 44.71,125.074 53.11,125.124 52.185,127.474 54.11,127.474 63.235,127.849 34.46,128.149 39.46,128.149 77.16,129.824 63.26,132.929 84.46,133.149 65.61,134.249 80.385,137.224 65.66,137.274 39.46,138.149 44.46,138.149 49.46,138.149 89.46,138.149 94.46,138.149 63.26,141.659 44.46,143.149 49.46,143.149 69.46,143.149 74.46,143.149 84.46,143.149 89.46,143.149 94.46,143.149 65.61,143.434 60.11,146.399 39.46,148.149 44.46,148.149 49.46,148.149 84.46,148.149 89.46,148.149 94.46,148.149 75.06,150.224 68.76,154.149 34.46,158.149 44.46,158.149
  other v3: 35.085,40.049 135.585,89.224 135.66,122.049 146.66,143.299 147.91,143.299 149.11,143.299 150.36,143.299 163.785,143.299 165.01,143.299 166.26,143.299 167.46,143.299 124.435,162.174 125.397,162.174 126.36,162.174 130.36,162.199

## Polygon pours and split planes (outlines as drawn)
no net on Bottom Layer "NONET_L02_P015" (solid, remove dead copper, pour order 15): 244.951,80.865 244.976,80.89 276.876,80.89 276.876,52.64 276.826,52.69 244.776,52.69
no net on Bottom Layer "NONET_L02_P013" (solid, remove dead copper, pour order 13): 244.951,52.036 244.976,52.061 276.876,52.061 276.876,23.811 276.826,23.861 244.776,23.861
no net on Bottom Layer "NONET_L02_P000" (solid, pour order 0): 32.46,166.499 101.935,166.499 101.935,26.524 101.935,24.274 103.835,24.274 32.135,24.274
no net on Top Layer "NONET_L01_P014" (solid, remove dead copper, pour order 14): 244.801,80.815 244.826,80.84 276.726,80.84 276.726,52.59 276.676,52.64 244.626,52.64
no net on Top Layer "NONET_L01_P012" (solid, remove dead copper, pour order 12): 244.801,51.986 244.826,52.011 276.726,52.011 276.726,23.761 276.676,23.811 244.626,23.811
no net on Top Layer "NONET_L01_P001" (solid, pour order 1): 32.46,166.524 101.935,166.524 101.935,26.549 101.935,24.299 103.835,24.299 32.135,24.299

## Keep-outs
Keep-Out Layer:
  lines w0.2: 243.96,166.51 243.96,164.084 243.963,164.084 ; 243.963,164.084 243.963,162.925 243.96,162.925 243.96,162.925 243.96,121.713 243.96,80.442 243.96,80.442 243.96,52.188 243.96,23.935 244.729,23.935 ; 243.963,164.084 244.733,164.084 ; 244.729,23.876 244.729,23.935 ; 244.729,23.876 244.729,162.925 ; 244.729,23.876 276.733,23.876 276.733,52.129 ; 244.729,23.935 244.729,52.129 276.733,52.129 ; 244.729,162.925 244.733,162.925 244.733,164.084 ; 244.729,162.925 244.729,162.925 ; 244.733,164.084 276.736,164.084 276.736,122.813 ; 276.733,52.129 276.733,52.705 ; 276.733,52.705 276.733,52.705 ; 276.733,52.705 276.733,80.958 ; 276.733,52.705 244.729,52.705 244.729,80.958 276.733,80.958 ; 276.733,80.958 276.733,81.542 276.736,81.542 ; 276.736,81.542 244.732,81.542 276.736,81.542 ; 276.736,81.542 276.736,122.813 ; 276.736,122.813 244.732,122.813 276.736,122.813
  lines w0.254: 243.96,23.935 32.46,23.935 32.46,166.51 243.96,166.51

## Other copper
Top Layer:
  rectangle: 274.926,77.265 276.401,80.59
  rectangle: 267.376,79.315 276.401,80.59
  rectangle: 274.926,48.436 276.401,51.761
  rectangle: 267.376,50.486 276.401,51.761
  rectangle: 258.448,157.734 259.972,160.655
  rectangle: 261.242,157.099 262.766,160.551
  rectangle: 259.337,153.035 267.211,155.194
  rectangle: 263.02,154.94 266.195,157.607
  rectangle: 262.004,158.115 265.306,158.708
  rectangle: 268.227,160.909 276.101,163.449
  rectangle: 258.448,116.463 259.972,119.384
  rectangle: 261.242,115.828 262.766,119.28
  rectangle: 259.337,111.764 267.211,113.923
  rectangle: 263.02,113.669 266.195,116.336
  rectangle: 262.004,116.844 265.306,117.437
  rectangle: 268.227,119.638 276.101,122.178
  rectangle: 182.516,28.634 191.935,40.499
  rectangle: 171.34,28.634 180.865,40.826
  rectangle: 171.335,46.524 193.311,53.399
  rectangle: 171.421,61.397 180.946,73.589
  rectangle: 171.41,79.299 193.392,86.162
  rectangle: 201.855,61.296 226.62,81.296
  rectangle: 117.954,69.196 127.36,81.049
  rectangle: 106.778,69.196 116.303,81.388
  rectangle: 106.76,87.099 128.749,93.961
  rectangle: 182.898,94.361 192.26,106.249
  rectangle: 171.722,94.361 181.247,106.553
  rectangle: 202.156,94.26 226.921,114.26
  rectangle: 183.079,127.452 192.46,139.274
  rectangle: 171.903,127.452 181.428,139.644
  rectangle: 171.885,145.349 193.874,152.217
  rectangle: 202.337,127.351 227.102,147.351
  rectangle: 137.212,69.095 161.977,89.095
  rectangle: 182.597,61.397 192.01,73.249
  rectangle: 117.726,36.319 127.135,48.199
  rectangle: 106.55,36.319 116.075,48.511
  rectangle: 106.535,54.224 128.521,61.084
  rectangle: 137.11,36.218 161.749,56.218
  rectangle: 201.685,28.533 226.539,48.533
  rectangle: 146.01,141.099 168.235,145.924
  rectangle: 137.226,101.892 161.991,121.892
  rectangle: 106.792,101.993 116.317,114.185
  rectangle: 106.785,119.899 128.735,126.758
  rectangle: 117.968,101.993 127.335,113.899
  rectangle: 171.71,112.249 193.693,119.126
  rectangle: 80.26,143.149 96.36,157.674
  region: 271.626,75.915 271.626,74.99 271.876,74.99 272.501,74.365 272.501,72.14 276.426,72.14 276.426,76.49 271.651,76.49
  pour cut-out: 271.667,77.74 271.692,77.715 276.401,77.715 276.401,75.915 271.626,75.915
  region: 266.757,76.415 258.301,76.415 258.301,73.565 265.126,73.565 265.126,70.99 267.551,70.99 267.551,80.59 262.051,80.59 262.051,79.04 264.901,79.04 264.901,77.965 266.745,77.965
  region: 269.635,77.339 274.226,77.339 274.207,77.466 274.207,78.99 271.667,78.99 271.667,77.74 269.635,77.74
  region: 266.446,77.72 266.446,76.704 259.207,76.704 259.207,77.72
  region: 271.626,47.086 271.626,46.161 271.876,46.161 272.501,45.536 272.501,43.311 276.426,43.311 276.426,47.661 271.651,47.661
  pour cut-out: 271.667,48.911 271.692,48.886 276.401,48.886 276.401,47.086 271.626,47.086
  region: 266.757,47.586 258.301,47.586 258.301,44.736 265.126,44.736 265.126,42.161 267.551,42.161 267.551,51.761 262.051,51.761 262.051,50.211 264.901,50.211 264.901,49.136 266.745,49.136
  region: 269.635,48.51 274.226,48.51 274.207,48.637 274.207,50.161 271.667,50.161 271.667,48.911 269.635,48.911
  region: 266.446,48.891 266.446,47.875 259.207,47.875 259.207,48.891
  region: 274.069,161.036 275.974,161.036 276.101,160.909 276.101,155.067 274.577,155.067 274.578,160.02
  region: 269.751,158.877 270.801,159.512 274.069,159.512 274.069,158.623 269.751,158.623
  region: 270.759,158.504 271.402,157.861 274.069,157.861 274.069,159.385
  region: 267.211,163.449 263.02,163.449 263.02,159.131 265.687,159.131 265.687,154.94 267.211,154.94
  region: 274.069,119.765 275.974,119.765 276.101,119.638 276.101,113.796 274.577,113.796 274.577,118.749
  region: 269.751,117.606 270.801,118.241 274.069,118.241 274.069,117.352 269.751,117.352
  region: 270.759,117.233 271.402,116.59 274.069,116.59 274.069,118.114
  region: 267.211,122.178 263.02,122.178 263.02,117.86 265.687,117.86 265.687,113.669 267.211,113.669
  pour cut-out: 71.285,39.149 ccw(c80.285,39.149) 80.285,30.149 ccw(c80.285,39.149) 89.285,39.149 ccw(c80.285,39.149) 80.285,48.149 ccw(c80.285,39.149)
  text "Masoud Babaabasi" at 182.565,162.009 h5
  text "WPT" at 195.84,158.418 h5
  text "Summer 2022" at 187.735,155.143 h5
  text "BABAABASI" at 264.798,147.221 h2
  text "2021" at 268.481,145.435 h2
  text "WPT" at 268.356,143.665 h2
  text "PA7" at 194.06,131.799 h4
  text "PA7" at 237.585,116.399 h3.5
  text "PA6" at 129.185,106.351 h4
  text "BABAABASI" at 264.798,105.95 h2
  text "2021" at 268.481,104.164 h2
  text "WPT" at 268.356,102.394 h2
  text "PA5" at 194.385,98.876 h4
  text "PA1" at 237.585,75.574 h3.5
  text "PA4" at 129.285,73.456 h4
  text "PA3" at 193.76,66.051 h4
  text "G" at 33.891,56.799 h2.2 r270
  text "TX" at 34.009,55.024 h1.8 r270
  text "RX" at 34.009,52.349 h1.8 r270
  text "L7" at 83.635,45.125 h3
  text "L5" at 74.11,45.12 h3
  text "PA2" at 128.86,40.924 h4
  text "PA1" at 193.66,33.049 h4
  text "L3" at 74.11,31.639 h3
  text "L1" at 83.635,31.639 h3